# Altium PCB GameBoard_V1I1.PcbDoc (part 11 of 22)
Units mil, origin at the board's own origin, x right, y up, seen from the top; angles counter-clockwise.
Board outline 7165.35 x 2814.96 mil, 12 copper layers (L1, L2, L3, L4, L5 (PWR), L6 (PWR), L7 (PWR), L8 (PWR), L9, L10, L11, L12), stack 61.575 mil thick; 1551 components, 1072 nets, 5467 pads, 3785 vias.
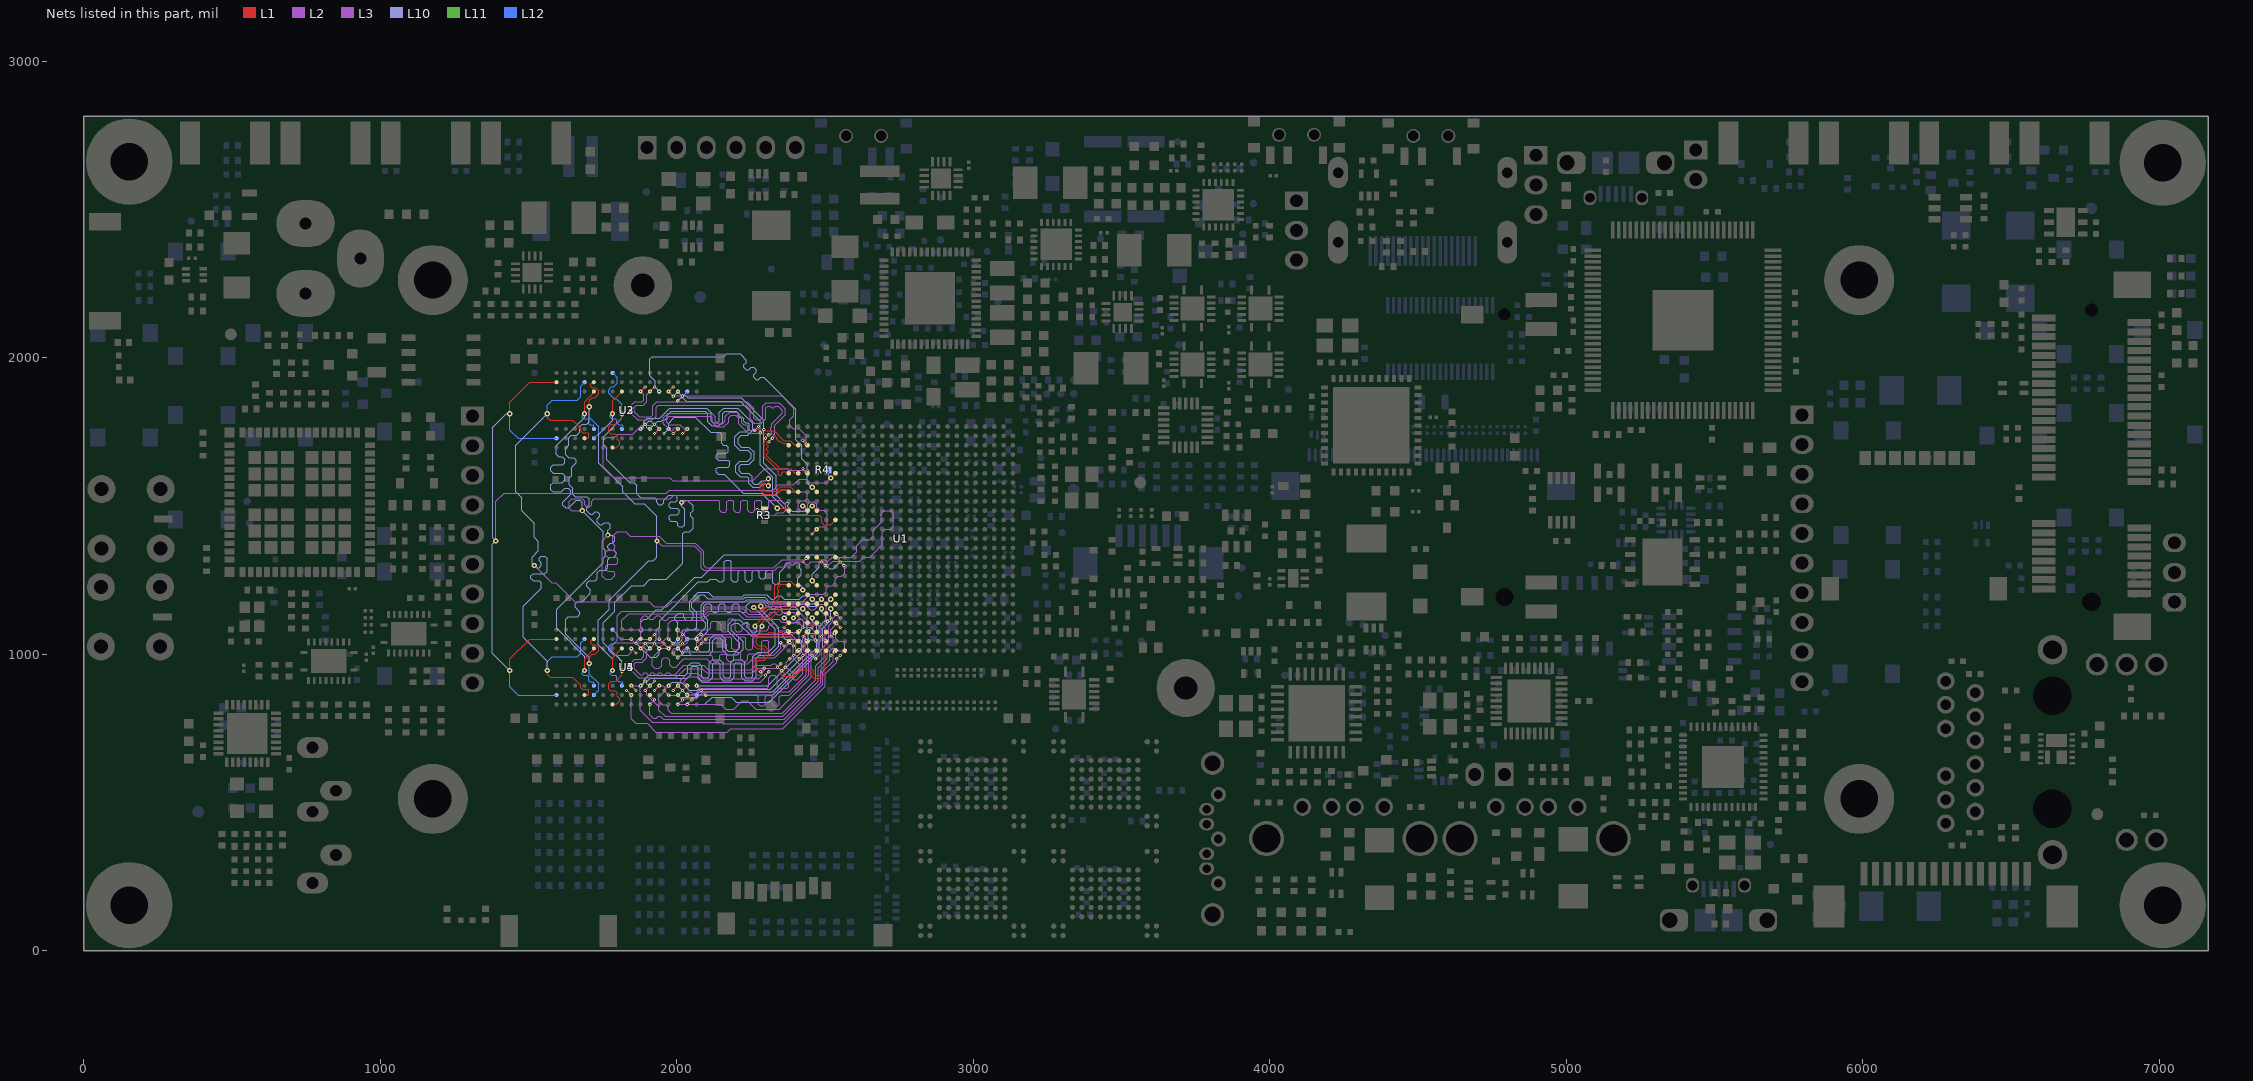
[diagram p21: the nets of this part, all layers, seen from the top]

## Via types
v1: diameter 17.72, hole 7.87, L1 to L12, 1935 vias
v2: diameter 17.72, hole 7.87, L1 to L12, tented both sides, 995 vias
v3: diameter 10.63, hole 3.94, L1 to L2, 334 vias
v4: diameter 11.81, hole 3.94, L2 to L3, 334 vias
v5: diameter 10.63, hole 3.94, L11 to L12, 94 vias
v6: diameter 11.81, hole 3.94, L10 to L11, 93 vias

## Nets (pads, with @x,y where several pads share a name; then routed paths per layer and width w, separated by ;. In a path a pad name is that pad's centre, name@x,y a point inside that pad or via, vN(x,y) a via of type N, cw(c..) or ccw(c..) an arc to the next point about the centre after c; other vN are vias at no path point) (continued)
DRAM_D39: U1.AC19 U5.F7 | length 1226.3
  L1 w3.15: v2(2425.2,1216.54) U1.AC19@2440.94,1200.79
  L10 w3.15: v6(1909.45,1019.68) 1904.53,1014.76 1896.65,1014.76 1889.76,1021.65 1889.76,1031.5 1897.64,1039.37 1922.24,1039.37 1931.1,1048.23 1931.1,1081.69 1941.93,1092.52 1941.93,1112.93 2072.82,1243.82 2104.06,1243.82 2113.19,1252.95 2132.6,1252.95 2141.73,1243.82 2153.27,1243.82 2160.61,1251.16 2160.61,1311.02 2166.45,1316.86 2178.12,1316.86 2183.96,1311.02 2183.96,1250.7 2184.03,1250.63 ; 2184.23,1250.43 2184.03,1250.63 ; v2(2425.2,1216.54) 2425.2,1224.41 2408.46,1241.14 2408.46,1255.91 2420.28,1267.72 2420.28,1285.43 2415.35,1290.35 2415.35,1302.17 2409.45,1308.07 2401.57,1308.07 2394.68,1301.18 2385.83,1301.18 2378.94,1308.07 2371.06,1308.07 2366.14,1303.15 2366.14,1294.29 2347.46,1275.61 2347.46,1241.14 2341.62,1235.31 2329.95,1235.31 2324.11,1241.14 2324.11,1276.77 2318.27,1282.6 2306.6,1282.6 2300.76,1276.77 2300.76,1259.84 2294.93,1254.01 2283.25,1254.01 2277.42,1259.84 2277.42,1276.77 2271.58,1282.6 2259.91,1282.6 2254.07,1276.77 2254.07,1250.23 2248.23,1244.4 2236.56,1244.4 2230.72,1250.23 2230.72,1276.77 2224.89,1282.6 2213.21,1282.6 2207.38,1276.77 2207.38,1250.23 2201.54,1244.4 2189.87,1244.4 2184.03,1250.23 2184.03,1250.63
  L11 w3.15: v5(1893.7,1035.43) v6(1909.45,1019.68)
  L12 w3.15: v5(1893.7,1035.43) v6(1909.45,1019.68)
DRAM_D40: U1.Y19 U5.D7 | length 765.5
  L1 w3.15: v2(2519.69,1185.04) U1.Y19@2535.43,1200.79
  L10 w3.15: v6(1972.44,1019.68) 1984.25,1031.5 2015.88,1031.5 2036.55,1052.17 2058.92,1052.17 2097.44,1090.69 2097.44,1104.54 2082.68,1119.3 2082.68,1164.68 2095.16,1177.17 2228.35,1177.17 2235.24,1184.06 2292.84,1184.06 2307.61,1169.29 2433.07,1169.29 2440.94,1161.42 2468.5,1161.42 2475.39,1168.31 2502.95,1168.31 v2(2519.69,1185.04)
  L11 w3.15: v5(1956.69,1035.43) v6(1972.44,1019.68)
  L12 w3.15: v5(1956.69,1035.43) v6(1972.44,1019.68)
DRAM_D41: U1.AB20 U5.B8 | length 761
  L1 w3.15: v2(2456.69,1185.04) U1.AB20@2472.44,1169.29
  L10 w3.15: v6(2003.94,1051.18) 2003.94,1072.06 1997.15,1078.85 1997.15,1086.51 2003.94,1093.3 2003.94,1106.3 1993.11,1117.13 1993.11,1125.98 2005.91,1138.78 2018.7,1138.78 2023.62,1133.86 2023.62,1122.05 2031.5,1114.17 2047.24,1114.17 2055.12,1122.05 2055.12,1137.8 2043.31,1149.61 2043.31,1179.13 2072.83,1208.66 2106.3,1208.66 2120.72,1194.24 2221.8,1194.24 2227.36,1199.8 2304.13,1199.8 2318.9,1185.04 2328.74,1185.04 2340.55,1196.85 2350.39,1196.85 2362.2,1185.04 2413.39,1185.04 2425.2,1196.85 2444.88,1196.85 v2(2456.69,1185.04)
  L11 w3.15: v6(2003.94,1051.18) v5(2019.69,1066.93)
  L12 w3.15: v5(2019.69,1066.93) U5.B8@2035.43,1051.18
DRAM_D42: U1.AB21 U5.C2 | length 764
  L1 w3.15: U1.AB21@2472.44,1137.8 v2(2488.19,1153.54)
  L10 w3.15: v6(2003.94,862.2) 2010.69,855.45 2068.36,855.45 2076.1,863.19 2324.88,863.19 2480.32,1018.62 2480.32,1093.3 2502.95,1115.93 2502.95,1128.16 2488.19,1142.93 v2(2488.19,1153.54)
  L11 w3.15: v6(2003.94,862.2) v5(2019.68,877.95)
  L12 w3.15: v6(2003.94,862.2) v5(2019.68,877.95)
DRAM_D43: U1.AD21 U5.A7 | length 763.7
  L1 w3.15: v2(2393.7,1122.05) U1.AD21@2409.45,1137.8
  L10 w3.15: v6(2066.93,1019.68) 2066.93,1039.37 2105.31,1077.76 2105.31,1115.16 2090.55,1129.92 2090.55,1161.42 2090.94,1161.42 2098.82,1169.29 2111.75,1169.29 2117.59,1163.45 2117.59,1146.67 2123.43,1140.83 2135.1,1140.83 2140.94,1146.67 2140.94,1163.45 2146.77,1169.29 2158.45,1169.29 2164.28,1163.45 2164.28,1146.67 2170.12,1140.83 2181.79,1140.83 2187.63,1146.67 2187.63,1163.45 2193.46,1169.29 2205.14,1169.29 2210.97,1163.45 2210.97,1146.67 2216.81,1140.83 2228.48,1140.83 2234.32,1146.67 2234.32,1163.45 2247.05,1176.18 2289.58,1176.18 2305.19,1160.57 2315.81,1160.57 2322.83,1153.54 2330.71,1153.54 2337.74,1160.57 2347.3,1160.57 2354.61,1153.26 2354.61,1145.39 2362.2,1137.8 2374.02,1137.8 2381.89,1145.67 2381.89,1152.56 2389.9,1160.57 2398.48,1160.57 2409.45,1149.61 2409.45,1137.8 v2(2393.7,1122.05)
  L11 w3.15: v6(2066.93,1019.68) v5(2082.68,1035.43)
  L12 w3.15: v6(2066.93,1019.68) v5(2082.68,1035.43)
DRAM_D44: U1.Y20 U5.A2 | length 761.1
  L1 w3.15: v2(2519.69,1153.54) U1.Y20@2535.43,1169.29
  L10 w3.15: v6(2035.43,830.71) 2094.49,830.71 2119.09,855.31 2184.06,855.31 2200.79,838.58 2311.41,838.58 2492.13,1019.3 2492.13,1086.61 2519.69,1114.17 v2(2519.69,1153.54)
  L11 w3.15: v6(2035.43,830.71) v5(2051.18,846.46)
  L12 w3.15: v5(2051.18,846.46) U5.A2@2066.93,862.2
DRAM_D45: U1.AA20 U5.C8 | length 765.1
  L1 w3.15: v2(2488.19,1185.04) U1.AA20@2503.94,1169.29
  L10 w3.15: v6(1972.44,1051.18) 1984.25,1039.37 2008.83,1039.37 2017.72,1048.26 2017.72,1076.77 2022.64,1081.69 2058.07,1081.69 2066.93,1090.55 2066.93,1140.54 2051.18,1156.29 2051.18,1173.23 2078.74,1200.79 2090.55,1200.79 2104.97,1186.37 2225.74,1186.37 2231.3,1191.93 2296.26,1191.93 2311.02,1177.17 2440.94,1177.17 2447.83,1170.28 2462.81,1170.28 2470.54,1178.01 2481.16,1178.01 v2(2488.19,1185.04)
  L11 w3.15: v6(1972.44,1051.18) v5(1988.19,1035.43)
  L12 w3.15: v5(1988.19,1035.43) U5.C8@2003.94,1051.18
DRAM_D46: U1.AE21 U5.A3 | length 764.8
  L1 w3.15: v2(2362.2,1122.05) U1.AE21@2377.95,1137.8
  L10 w3.15: v6(2066.93,893.7) 2307.09,893.7 2421.26,1007.87 2421.26,1045.21 2415.42,1051.04 2365.72,1051.04 2359.88,1056.88 2359.88,1068.55 2365.72,1074.39 2415.42,1074.39 2421.26,1080.23 2421.26,1090.55 2429.13,1098.43 2429.13,1110.24 2421.26,1118.11 2410.64,1118.11 2398.83,1106.3 2377.95,1106.3 v2(2362.2,1122.05)
  L11 w3.15: v6(2066.93,893.7) v5(2082.68,877.95)
  L12 w3.15: v6(2066.93,893.7) v5(2082.68,877.95)
DRAM_D47: U1.AC21 U5.C3 | length 763.5
  L1 w3.15: U1.AC21@2440.94,1137.8 v2(2456.69,1122.05)
  L10 w3.15: v6(2003.94,893.7) 2034.31,863.33 2065.1,863.33 2075.79,874.02 2324.03,874.02 2472.44,1022.43 2472.44,1042.1 2466.6,1047.93 2449.67,1047.93 2443.84,1053.77 2443.84,1065.44 2449.67,1071.28 2466.6,1071.28 2472.44,1077.12 2472.44,1094.63 2456.69,1110.37 v2(2456.69,1122.05)
  L11 w3.15: v5(1988.19,877.95) v6(2003.94,893.7)
  L12 w3.15: v5(1988.19,877.95) v6(2003.94,893.7)
DRAM_D48: U1.AC22 U4.D7 | length 742.4
  L1 w3.15: v3(1956.69,877.95) U4.D7@1972.44,893.7 ; v3(2425.2,1090.55) U1.AC22@2440.94,1106.3
  L3 w3.15: v4(1972.44,862.21) 2003.94,862.21 2015.75,850.39 2065.74,850.39 2089.36,874.02 2378.94,874.02 2436.02,931.1 2436.02,1005.08 2426.18,1014.92 2426.18,1027.25 2413.39,1040.05 v4(2413.39,1078.74)
  L2 w3.15: v3(1956.69,877.95) v4(1972.44,862.21) ; v4(2413.39,1078.74) v3(2425.2,1090.55)
DRAM_D49: U1.AE22 U4.C2 | length 742.2
  L1 w3.15: U4.C2@2003.94,1051.18 v3(2019.68,1066.93) ; v3(2362.2,1090.55) U1.AE22@2377.95,1106.3
  L3 w3.15: v4(2003.94,1082.68) 2003.94,1039.37 2011.81,1031.5 2027.56,1031.5 2035.43,1039.37 2035.43,1051.18 2027.56,1059.06 2027.56,1074.8 2035.43,1082.68 2107.28,1082.68 2114.17,1089.57 2114.17,1104.33 2120.08,1110.24 2137.8,1110.24 2149.61,1098.43 2149.61,1081.3 2155.51,1075.39 2167.32,1075.39 2173.23,1081.3 2173.23,1114.17 2179.13,1120.08 2190.94,1120.08 2196.85,1114.17 2196.85,1081.3 2202.76,1075.39 2214.57,1075.39 2220.47,1081.3 2220.47,1098.43 2226.38,1104.33 2238.19,1104.33 2244.09,1098.43 2244.09,1085.63 2250.98,1078.74 2303.15,1078.74 2311.02,1086.61 2311.02,1094.49 2318.9,1102.36 2330.71,1102.36 2338.58,1094.49 2338.58,1086.61 2346.46,1078.74 v4(2374.02,1078.74)
  L2 w3.15: v4(2003.94,1082.68) v3(2019.68,1066.93) ; v3(2362.2,1090.55) v4(2374.02,1078.74)
DRAM_D50: U1.AE24 U4.C3 | length 740.2
  L1 w3.15: v4(2003.94,1019.68) v3(2019.68,1035.43) ; v3(2362.2,1027.56) U1.AE24@2377.95,1043.31
  L3 w3.15: v4(2003.94,1019.68) 1992.13,1019.68 1984.25,1011.81 1984.25,1000 1988.19,996.06 2013.78,996.06 2019.68,1001.97 2019.68,1012.63 2025.59,1018.53 2037.4,1018.53 2043.31,1012.63 2043.31,1001.97 2049.21,996.06 2116.14,996.06 2122.05,990.16 2122.05,982.75 2127.95,976.84 2139.76,976.84 2145.67,982.75 2145.67,996.06 2149.61,1000 2165.35,1000 2169.29,996.06 2169.29,982.75 2175.2,976.84 2187.01,976.84 2192.91,982.75 2192.91,1000.11 2198.82,1006.01 2210.63,1006.01 2216.54,1000.11 2216.54,982.75 2222.44,976.84 2234.25,976.84 2240.16,982.75 2240.16,996.06 2245.08,1000.98 2282.48,1000.98 2287.4,1005.91 2287.4,1041.34 2293.31,1047.24 2305.12,1047.24 2311.02,1041.34 2311.02,1001.97 2316.93,996.06 2326.77,996.06 2350.39,1019.68 v4(2350.39,1039.37)
  L2 w3.15: v4(2003.94,1019.68) v3(2019.68,1035.43) ; v4(2350.39,1039.37) v3(2362.2,1027.56)
DRAM_D51: U1.AC24 U4.B8 | length 739
  L1 w3.15: v4(2035.43,862.21) v3(2051.18,846.46) ; v3(2425.2,1027.56) U1.AC24@2440.94,1043.31
  L3 w3.15: v4(2035.43,862.21) 2035.43,870.08 2039.37,874.02 2047.24,874.02 2055.12,866.14 2062.99,866.14 2082.68,885.83 2305.12,885.83 2311.02,891.73 2311.02,921.26 2318.9,929.13 2330.71,929.13 2338.58,921.26 2338.58,891.73 2344.49,885.83 2372.05,885.83 2376.97,890.75 2376.97,898.73 2357.31,918.38 2357.31,926.73 2365.66,935.08 2374.02,935.08 2395.71,913.39 2405.51,913.39 2425.67,933.54 2425.67,1003.47 v4(2413.39,1015.75)
  L2 w3.15: v4(2035.43,862.21) v3(2051.18,846.46) ; v4(2413.39,1015.75) v3(2425.2,1027.56)
DRAM_D52: U1.AB22 U4.A7 | length 744.5
  L1 w3.15: U4.A7@2066.93,893.7 v3(2082.68,877.95) ; v3(2456.69,1090.55) U1.AB22@2472.44,1106.3
  L3 w3.15: v4(2098.42,862.21) 2269.68,862.21 2275.59,856.3 2275.59,831.52 2281.5,825.62 2293.31,825.62 2299.21,831.52 2299.21,856.3 2305.12,862.21 2316.93,862.21 2322.83,856.3 2322.83,831.52 2328.74,825.62 2340.55,825.62 2346.46,831.52 2346.46,856.3 2352.36,862.21 2378.94,862.21 2445.87,929.13 2445.87,1006.37 2434.05,1018.18 2434.05,1030.51 2424.21,1040.35 2424.21,1058.07 v4(2444.88,1078.74)
  L2 w3.15: v3(2082.68,877.95) v4(2098.42,862.21) ; v4(2444.88,1078.74) v3(2456.69,1090.55)
DRAM_D53: U1.AC23 U4.C8 | length 739.9
  L1 w3.15: U4.C8@2003.94,862.2 v3(2019.68,846.46) ; v3(2425.2,1059.06) U1.AC23@2440.94,1074.8
  L3 w3.15: v4(2003.94,830.71) 2004.92,831.69 2148.61,831.69 2165.34,814.96 2192.91,814.96 2220.47,842.52 2238.19,842.52 2265.75,814.96 2346.46,814.96 2453.74,922.24 2453.74,1009.63 2441.93,1021.44 2441.93,1042.32 v4(2437.01,1047.24)
  L2 w3.15: v4(2003.94,830.71) v3(2019.68,846.46) ; v3(2425.2,1059.06) v4(2437.01,1047.24)
DRAM_D54: U1.AD25 U4.A3 | length 739
  L1 w3.15: U4.A3@2066.93,1019.68 v3(2082.68,1035.43) ; v3(2393.7,996.06) U1.AD25@2409.45,1011.81
  L3 w3.15: v4(2098.42,1051.18) 2106.3,1059.06 2149.61,1059.06 2161.42,1059.06 2179.13,1059.06 2185.04,1053.15 2185.04,1020.26 2190.94,1014.35 2202.76,1014.35 2208.66,1020.26 2208.66,1053.15 2214.57,1059.06 2226.38,1059.06 2232.28,1053.15 2232.28,1020.26 2238.19,1014.35 2250,1014.35 2255.91,1020.26 2255.91,1053.15 2261.81,1059.06 2326.77,1059.06 2381.89,1059.06 2393.11,1047.83 2393.11,986.81 2417.32,962.6 2417.32,948.82 2405.51,937.01 2389.76,937.01 2370.08,956.69 2370.08,972.44 v4(2381.89,984.25)
  L2 w3.15: v3(2082.68,1035.43) v4(2098.42,1051.18) ; v4(2381.89,984.25) v3(2393.7,996.06)
DRAM_D55: U1.AC25 U4.A2 | length 739.6
  L1 w3.15: v4(2066.93,1051.18) v3(2082.68,1066.93) ; v3(2425.2,996.06) U1.AC25@2440.94,1011.81
  L3 w3.15: v4(2066.93,1051.18) 2066.93,1019.69 2078.74,1007.87 2161.42,1007.87 2169.29,1015.75 2169.29,1031.5 2161.42,1039.37 2092.52,1039.37 2086.61,1045.28 2086.61,1059.06 2094.49,1066.93 2385.15,1066.93 2401.57,1050.51 2401.57,996.06 v4(2413.39,984.25)
  L2 w3.15: v4(2066.93,1051.18) v3(2082.68,1066.93) ; v4(2413.39,984.25) v3(2425.2,996.06)
DRAM_D56: U1.AB25 U4.E3 | length 1006.6
  L1 w3.15: U4.E3@1940.94,1019.68 v3(1956.69,1035.43) ; v3(2456.69,996.06) U1.AB25@2472.44,1011.81
  L3 w3.15: v4(1940.94,1051.18) 1940.94,1074.8 1933.07,1082.68 1886.95,1082.68 1877.95,1091.67 1877.95,1118.11 1888.78,1128.94 1897.64,1128.94 1908.46,1118.11 1921.26,1118.11 1932.09,1128.94 1940.94,1128.94 1955.71,1114.17 1965.55,1114.17 1976.38,1125 2086.25,1125 2105.93,1144.69 2216.53,1144.69 2235.24,1125.98 2301.18,1125.98 2317.14,1141.94 2330.71,1141.94 2339.07,1133.58 2350.04,1133.58 2358.41,1141.94 2394.68,1141.94 2437.94,1098.68 2476.43,1098.68 2487.2,1087.91 2487.2,1046.26 2476.38,1035.43 2476.38,1023.62 2484.25,1015.75 2484.25,1000 v4(2468.5,984.25)
  L2 w3.15: v4(1940.94,1051.18) v3(1956.69,1035.43) ; v3(2456.69,996.06) v4(2468.5,984.25)
DRAM_D57: U1.AA21 U4.G2 | length 1009
  L1 w3.15: v3(1862.21,1035.43) U4.G2@1877.95,1051.18 ; U1.AA21@2503.94,1137.8 v3(2519.69,1122.05)
  L3 w3.15: v4(1846.46,1051.18) 1811.02,1051.18 1799.21,1062.99 1799.21,1129.92 1813.98,1144.68 2083.66,1144.68 2099.41,1160.43 2231.24,1160.43 2248.96,1142.72 2285.64,1142.72 2304.34,1161.42 2412.19,1161.42 2419.08,1168.31 2431.31,1168.31 2450.01,1149.61 2463.37,1149.61 2482.07,1168.31 2497.05,1168.31 2503.94,1161.42 2503.94,1114.17 v4(2507.87,1110.24)
  L2 w3.15: v4(1846.46,1051.18) v3(1862.21,1035.43) ; v4(2507.87,1110.24) v3(2519.69,1122.05)
DRAM_D58: U1.Y25 U4.H7 | length 1007.5
  L1 w3.15: v4(1846.46,893.7) v3(1862.2,877.95) ; v3(2519.69,996.06) U1.Y25@2535.43,1011.81
  L3 w3.15: v4(1846.46,893.7) 1868.11,893.7 1876.97,884.84 1876.97,810.81 1917.11,770.67 2151.57,770.67 2157.48,764.76 2359.25,764.76 2493.11,898.62 2493.11,941.93 2527.56,976.38 2527.56,1003.94 v4(2531.5,1007.87)
  L2 w3.15: v4(1846.46,893.7) v3(1862.2,877.95) ; v3(2519.69,996.06) v4(2531.5,1007.87)
DRAM_D59: U1.Y22 U4.F7 | length 1008.3
  L1 w3.15: v3(1893.7,877.95) v4(1909.45,893.7) ; U1.Y22@2535.43,1106.3 v3(2551.18,1090.55)
  L3 w3.15: v4(1909.45,893.7) 1898.62,882.87 1898.62,863.19 1939.96,821.85 1939.96,810.81 1960.42,790.35 2358.27,790.35 2477.36,909.45 2477.36,954.72 2506.89,984.25 2506.89,1017.72 2527.56,1038.39 2527.56,1055.12 2519.69,1062.99 2519.69,1082.68 v4(2539.37,1102.36)
  L2 w3.15: v3(1893.7,877.95) v4(1909.45,893.7) ; v4(2539.37,1102.36) v3(2551.18,1090.55)
DRAM_D60: U1.AB23 U4.H3 | length 1007.9
  L1 w3.15: v4(1846.46,1019.69) v3(1862.2,1003.94) ; v3(2456.69,1059.06) U1.AB23@2472.44,1074.8
  L3 w3.15: v4(1846.46,1019.69) 1846.46,1006.89 1835.63,996.06 1788.45,996.06 1775.59,1008.92 1775.59,1023.62 1791.34,1039.37 1950.01,1039.37 1971.46,1060.81 1971.46,1103.35 1982.28,1114.17 2086.56,1114.17 2109.2,1136.81 2206.69,1136.81 2226.38,1117.13 2344.49,1117.13 2354.33,1107.28 2410.43,1107.28 2426.91,1090.81 2449.54,1090.81 2468.5,1071.85 v4(2468.5,1047.24)
  L2 w3.15: v4(1846.46,1019.69) v3(1862.2,1003.94) ; v3(2456.69,1059.06) v4(2468.5,1047.24)
DRAM_D61: U1.AA23 U4.F2 | length 1009.6
  L1 w3.15: v4(1909.45,1051.18) v3(1925.2,1066.93) ; v3(2488.19,1059.06) U1.AA23@2503.94,1074.8
  L3 w3.15: v4(1909.45,1051.18) 1886.95,1051.18 1877.95,1060.18 1877.95,1074.8 1870.08,1082.68 1822.83,1082.68 1814.96,1090.55 1814.96,1114.17 1837.6,1136.81 2086.92,1136.81 2102.67,1152.56 2223.42,1152.56 2241.14,1134.84 2291.34,1134.84 2308.07,1151.57 2402.56,1151.57 2447.58,1106.56 2482.8,1106.56 2500,1089.36 v4(2500,1047.24)
  L2 w3.15: v4(1909.45,1051.18) v3(1925.2,1066.93) ; v3(2488.19,1059.06) v4(2500,1047.24)
DRAM_D62: U1.Y23 U4.F8 | length 1011.1
  L1 w3.15: U4.F8@1909.45,862.2 v3(1925.2,846.46) ; v3(2519.69,1059.06) U1.Y23@2535.43,1074.8
  L3 w3.15: v4(1909.45,830.71) 1909.45,796.26 1921.26,784.45 1930.12,784.45 1937.01,791.34 1943.9,791.34 1954.72,780.51 2362.2,780.51 2485.24,903.54 2485.24,947.83 2516.73,979.33 2516.73,1009.81 2526.6,1019.69 2538.18,1019.69 2546.05,1011.81 2559.06,1011.81 2566.93,1019.68 2566.93,1036.42 2560.04,1043.31 2546.05,1043.31 2536.42,1052.94 2536.42,1065.95 v4(2531.5,1070.87)
  L2 w3.15: v4(1909.45,830.71) v3(1925.2,846.46) ; v3(2519.69,1059.06) v4(2531.5,1070.87)
DRAM_D63: U1.W25 U4.H8 | length 1008.9
  L1 w3.15: v3(1830.71,877.95) v4(1846.46,862.2) ; v3(2551.18,996.06) U1.W25@2566.93,1011.81
  L3 w3.15: v4(1846.46,862.2) 1846.46,782.48 1862.2,766.73 1899.82,766.73 1929.34,737.2 2171.07,737.2 2182.55,748.69 2357.95,748.69 2500.98,891.73 2500.98,933.75 2539.37,972.14 v4(2539.37,984.25)
  L2 w3.15: v3(1830.71,877.95) v4(1846.46,862.2) ; v4(2539.37,984.25) v3(2551.18,996.06)
DRAM_DQM0: U1.AC3 U2.D3 | length 690.2
  L1 w3.15: v4(1972.44,1885.83) v3(1988.19,1901.57) ; v3(2425.2,1720.47) U1.AC3@2440.94,1704.73
  L3 w3.15: v4(1972.44,1885.83) 1987.2,1871.06 2353.35,1871.06 2394.29,1830.12 2394.29,1803.74 2380.91,1790.35 2380.91,1772.64 2393.7,1759.84 2413.39,1759.84 2437.01,1736.22 v4(2437.01,1708.66)
  L2 w3.15: v4(1972.44,1885.83) v3(1988.19,1901.57) ; v3(2425.2,1720.47) v4(2437.01,1708.66)
DRAM_DQM1: U1.AC6 U2.E7 | length 1113.6
  L1 w3.15: v3(1925.2,1744.1) v4(1940.95,1759.84) ; v3(2425.2,1625.98) U1.AC6@2440.94,1610.24
  L3 w3.15: v4(1940.95,1759.84) 1929.14,1771.65 1881.89,1771.65 1852.33,1742.09 1801.14,1742.09 1791.34,1732.28 1763.78,1732.28 1751.97,1720.47 1751.97,1631.66 1789.14,1594.49 1976.22,1594.49 1985.71,1585 2256.26,1585 2297.24,1625.98 2371.06,1625.98 2376.97,1620.08 2431.1,1620.08 v4(2437.01,1614.17)
  L2 w3.15: v3(1925.2,1744.1) v4(1940.95,1759.84) ; v3(2425.2,1625.98) v4(2437.01,1614.17)
DRAM_DQM2: U1.AB8 U3.E7 | length 1123.6
  L1 w3.15: v2(2456.69,1562.99) U1.AB8@2472.44,1547.24
  L10 w3.15: v6(1940.95,1885.83) 1927.17,1899.61 1927.17,1921.26 1909.45,1938.98 1909.45,1996.06 1917.32,2003.94 2158.84,2003.94 2164.6,2009.7 2164.6,2010.09 2167.17,2012.66 2213.88,2012.66 2234.52,1992.02 2234.52,1983.77 2226.16,1975.41 2226.16,1967.16 2234.41,1958.9 2242.67,1958.9 2251.03,1967.26 2259.28,1967.26 2267.53,1959.01 2267.53,1950.75 2259.18,1942.39 2259.18,1934.14 2267.43,1925.89 2275.69,1925.89 2284.04,1934.24 2294.1,1934.24 2401.57,1826.77 2401.57,1723.82 2421.26,1704.13 2421.26,1659.61 2440.94,1639.93 2440.94,1624.02 2445.87,1619.09 2445.87,1605.31 2440.94,1600.39 2440.94,1578.74 v2(2456.69,1562.99)
  L11 w3.15: v5(1925.2,1901.57) v6(1940.95,1885.83)
  L12 w3.15: v5(1925.2,1901.57) v6(1940.95,1885.83)
DRAM_DQM3: U1.AE10 U3.D3 | length 824
  L1 w3.15: v2(2338.58,1492.13) 2370.08,1492.13 U1.AE10@2377.95,1484.25
  L10 w3.15: v6(1972.44,1759.84) 1972.44,1779.53 1992.13,1799.21 2062.99,1799.21 2114.17,1748.03 2144.68,1748.03 2151.57,1741.14 2151.57,1710.63 2157.48,1704.72 2166.51,1704.72 2173.23,1698.01 2173.23,1683.42 2167.39,1677.58 2139.81,1677.58 2133.97,1671.74 2133.97,1660.07 2139.81,1654.23 2173.23,1654.23 2179.06,1648.4 2179.06,1636.72 2173.23,1630.89 2139.81,1630.89 2133.97,1625.05 2133.97,1613.38 2139.81,1607.54 2160.18,1607.54 2224.41,1543.31 2287.4,1543.31 v2(2338.58,1492.13)
  L11 w3.15: v5(1956.69,1744.09) v6(1972.44,1759.84)
  L12 w3.15: v5(1956.69,1744.09) v6(1972.44,1759.84)
DRAM_DQM4: U1.AB18 U5.E7 | length 1225.8
  L1 w3.15: v2(2456.69,1248.03) U1.AB18@2472.44,1232.28
  L10 w3.15: v6(1940.95,1019.68) 1940.95,1000 1931.1,990.16 1910.12,990.16 1864.17,1036.11 1864.17,1044.29 1878.94,1059.06 1878.94,1073.04 1884.84,1078.95 1884.84,1086.4 1878.94,1092.31 1878.94,1108.27 1888.78,1118.11 1899.61,1118.11 1931.1,1149.61 1949.61,1149.61 2059.84,1259.84 2084.84,1259.84 2160.2,1335.2 2534.88,1335.2 2547.24,1322.83 2547.24,1307.61 2527.04,1287.4 2515.75,1287.4 2507.87,1295.28 2507.87,1311.02 2500,1318.9 2488.19,1318.9 2480.31,1311.02 2480.31,1292.53 2456.69,1268.91 v2(2456.69,1248.03)
  L11 w3.15: v5(1925.2,1035.43) v6(1940.95,1019.68)
  L12 w3.15: v5(1925.2,1035.43) v6(1940.95,1019.68)
DRAM_DQM5: U1.AC20 U5.D3 | length 764.2
  L1 w3.15: v2(2425.2,1153.54) U1.AC20@2440.94,1169.29
  L10 w3.15: v6(1972.44,893.7) 1984.25,905.51 2015.75,905.51 2042.32,878.94 2068.87,878.94 2072.41,882.48 2315.55,882.48 2441.93,1008.86 2441.93,1030.51 2433.07,1039.37 2433.07,1078.74 2440.94,1086.61 2440.94,1137.8 v2(2425.2,1153.54)
  L11 w3.15: v5(1956.69,877.95) v6(1972.44,893.7)
  L12 w3.15: v5(1956.69,877.95) v6(1972.44,893.7)
DRAM_DQM6: U1.AD24 U4.D3 | length 742.2
  L1 w3.15: v4(1972.44,1019.68) v3(1988.19,1035.43) ; v3(2393.7,1027.56) U1.AD24@2409.45,1043.31
  L3 w3.15: v4(1972.44,1019.68) 1948.82,1019.68 1917.32,988.19 1917.32,960.63 1925.2,952.76 1940.94,952.76 1948.82,960.63 1948.82,980.32 1956.69,988.19 1968.5,988.19 1976.38,980.31 1976.38,964.57 1984.25,956.69 1996.06,956.69 2023.62,984.25 2101.38,984.25 2117.13,968.5 2240.16,968.5 2259.84,988.19 2330.12,988.19 v4(2381.3,1039.37)
  L2 w3.15: v4(1972.44,1019.68) v3(1988.19,1035.43) ; v4(2381.3,1039.37) v3@2393.11,1027.56
DRAM_DQM7: U1.Y21 U4.E7 | length 1008.6
  L1 w3.15: v3(1925.2,877.95) v4(1940.95,893.7) ; U1.Y21@2535.43,1137.8 v3(2551.18,1122.05)
  L3 w3.15: v4(1940.95,893.7) 1953.74,893.7 1960.63,886.81 1960.63,876.97 1938.98,855.31 1938.98,843.29 1952.55,829.72 1962.81,829.72 1971.46,821.08 1971.46,810.81 1982.07,800.2 2355.31,800.2 2469.49,914.37 2469.49,961.64 2497.05,989.2 2497.05,1027.56 2511.81,1042.32 2511.81,1096.46 2526.97,1111.61 2526.97,1121.46 v4(2539.37,1133.86)